# KiCad board UA4EFI.kicad_pcb
title: UAEFI; date: 2025-04-30; rev: E
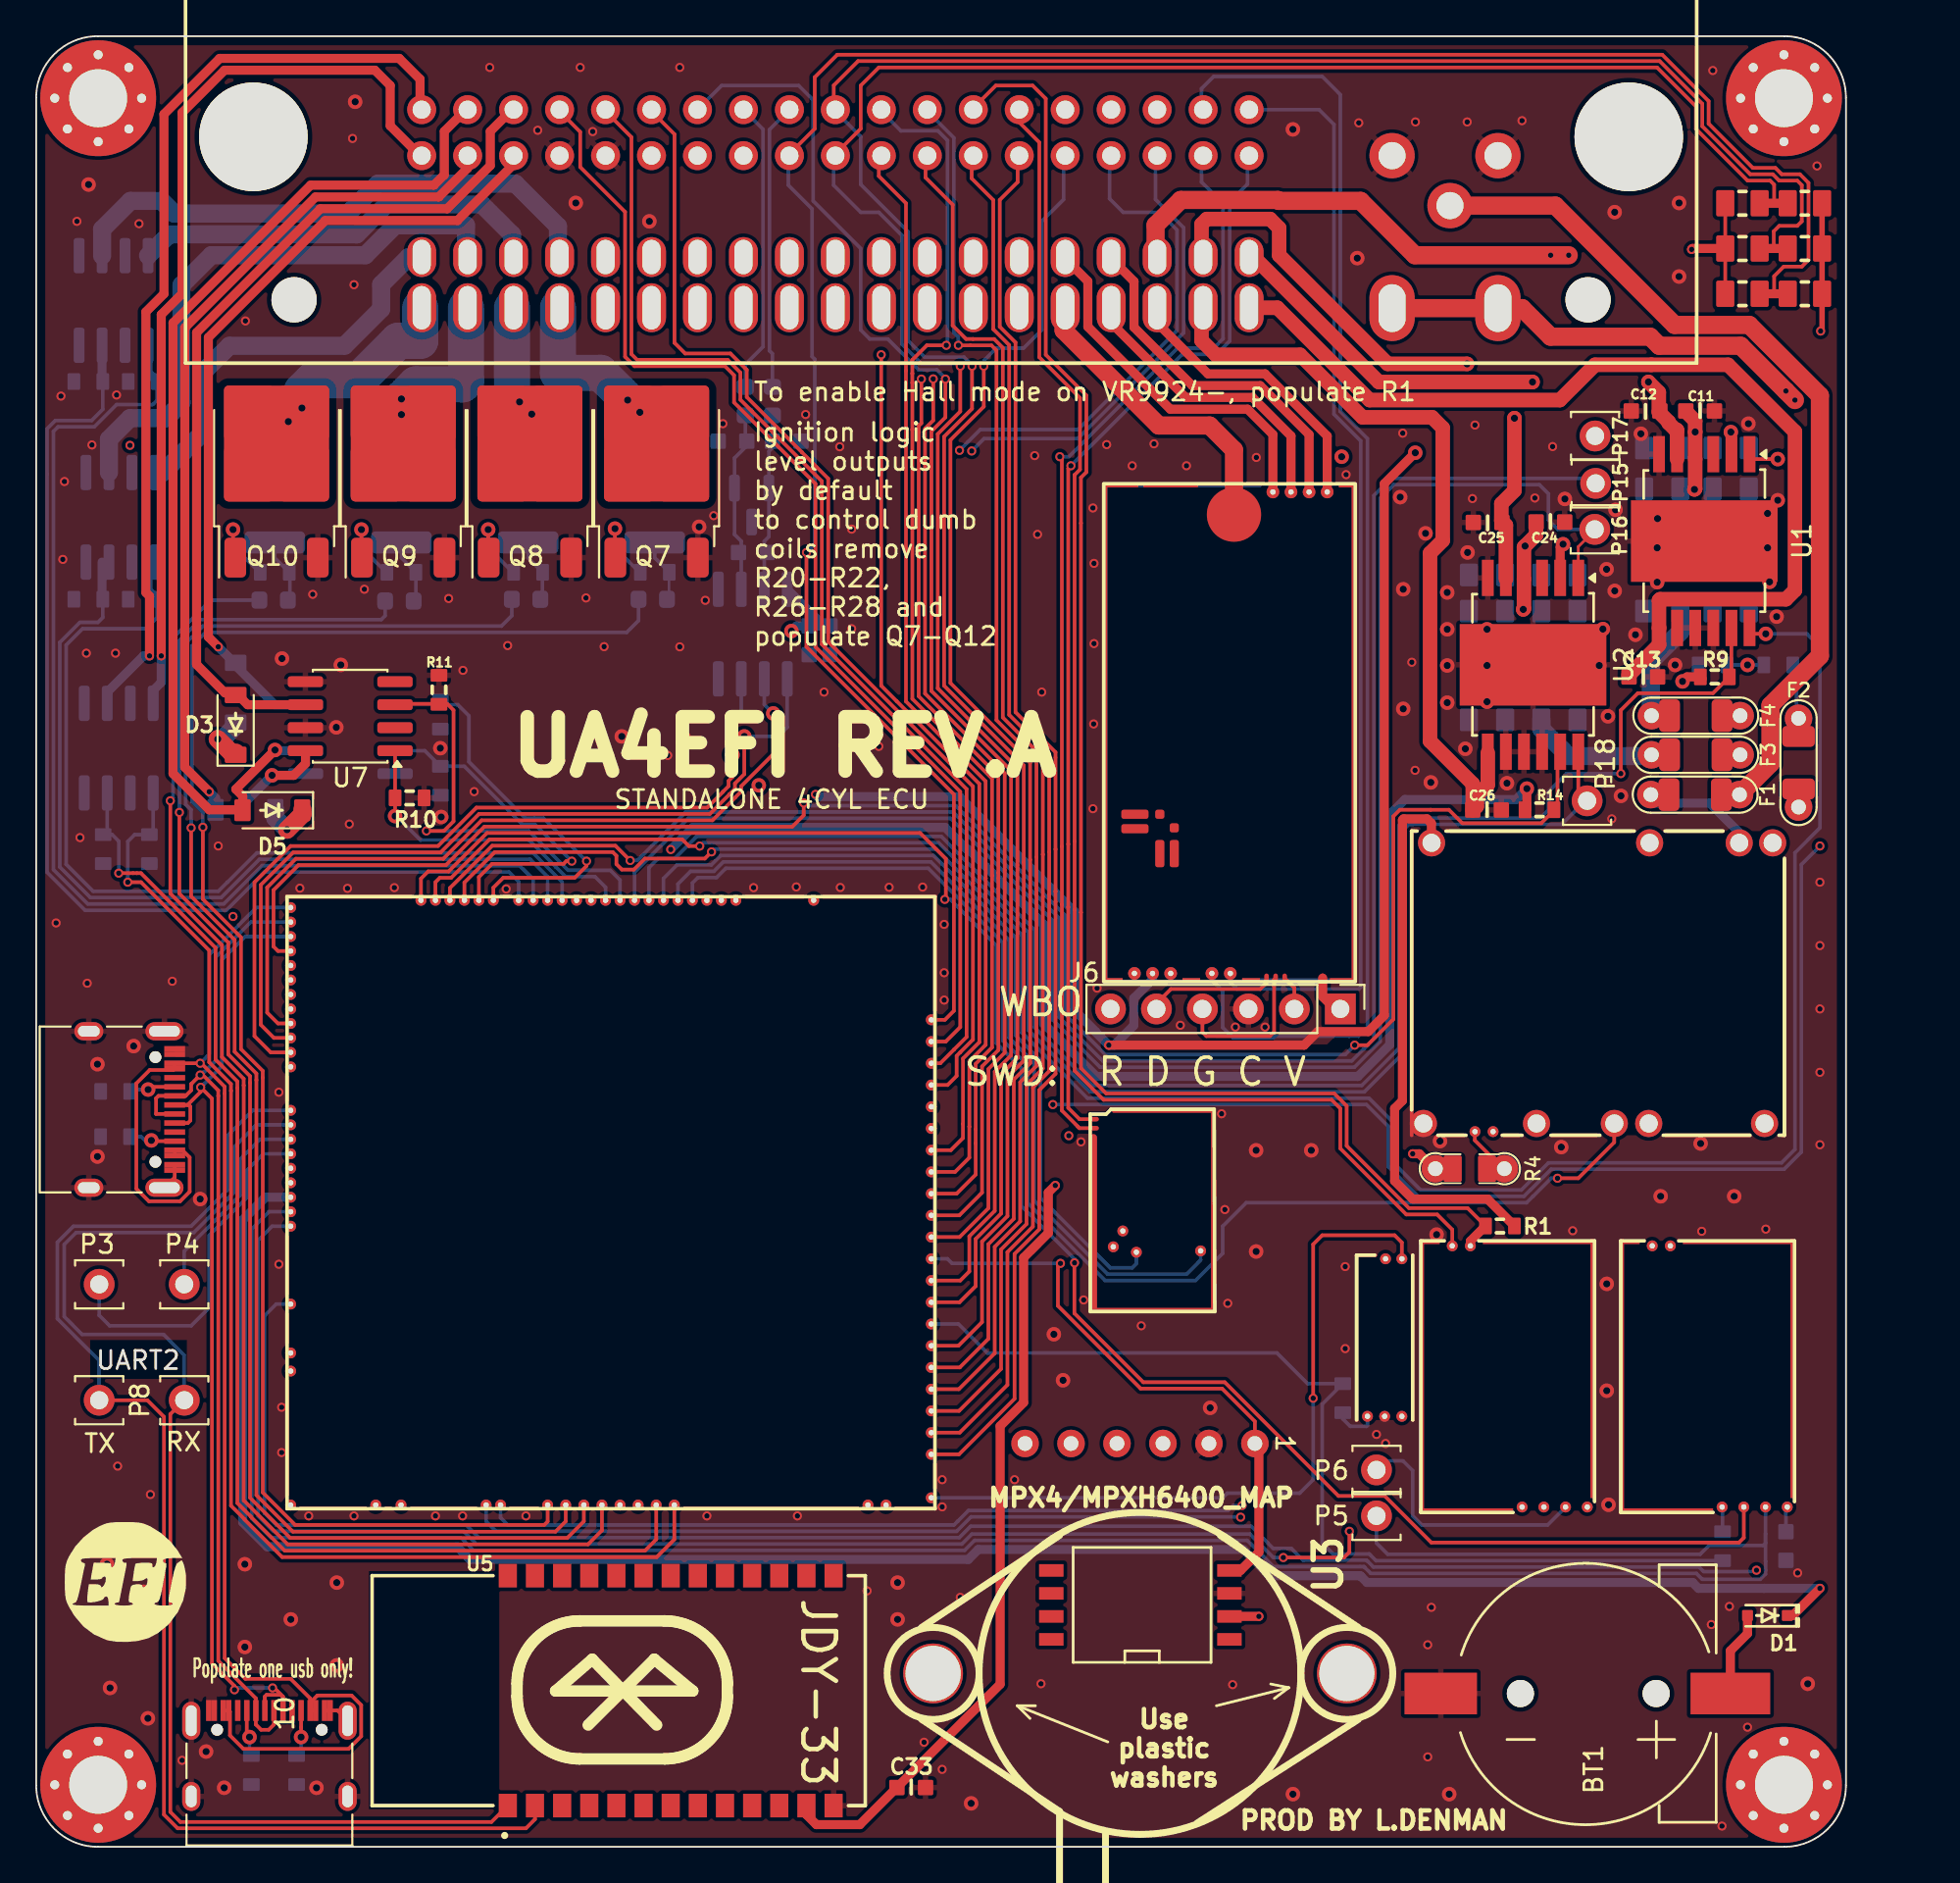
[diagram p0: board, top side]
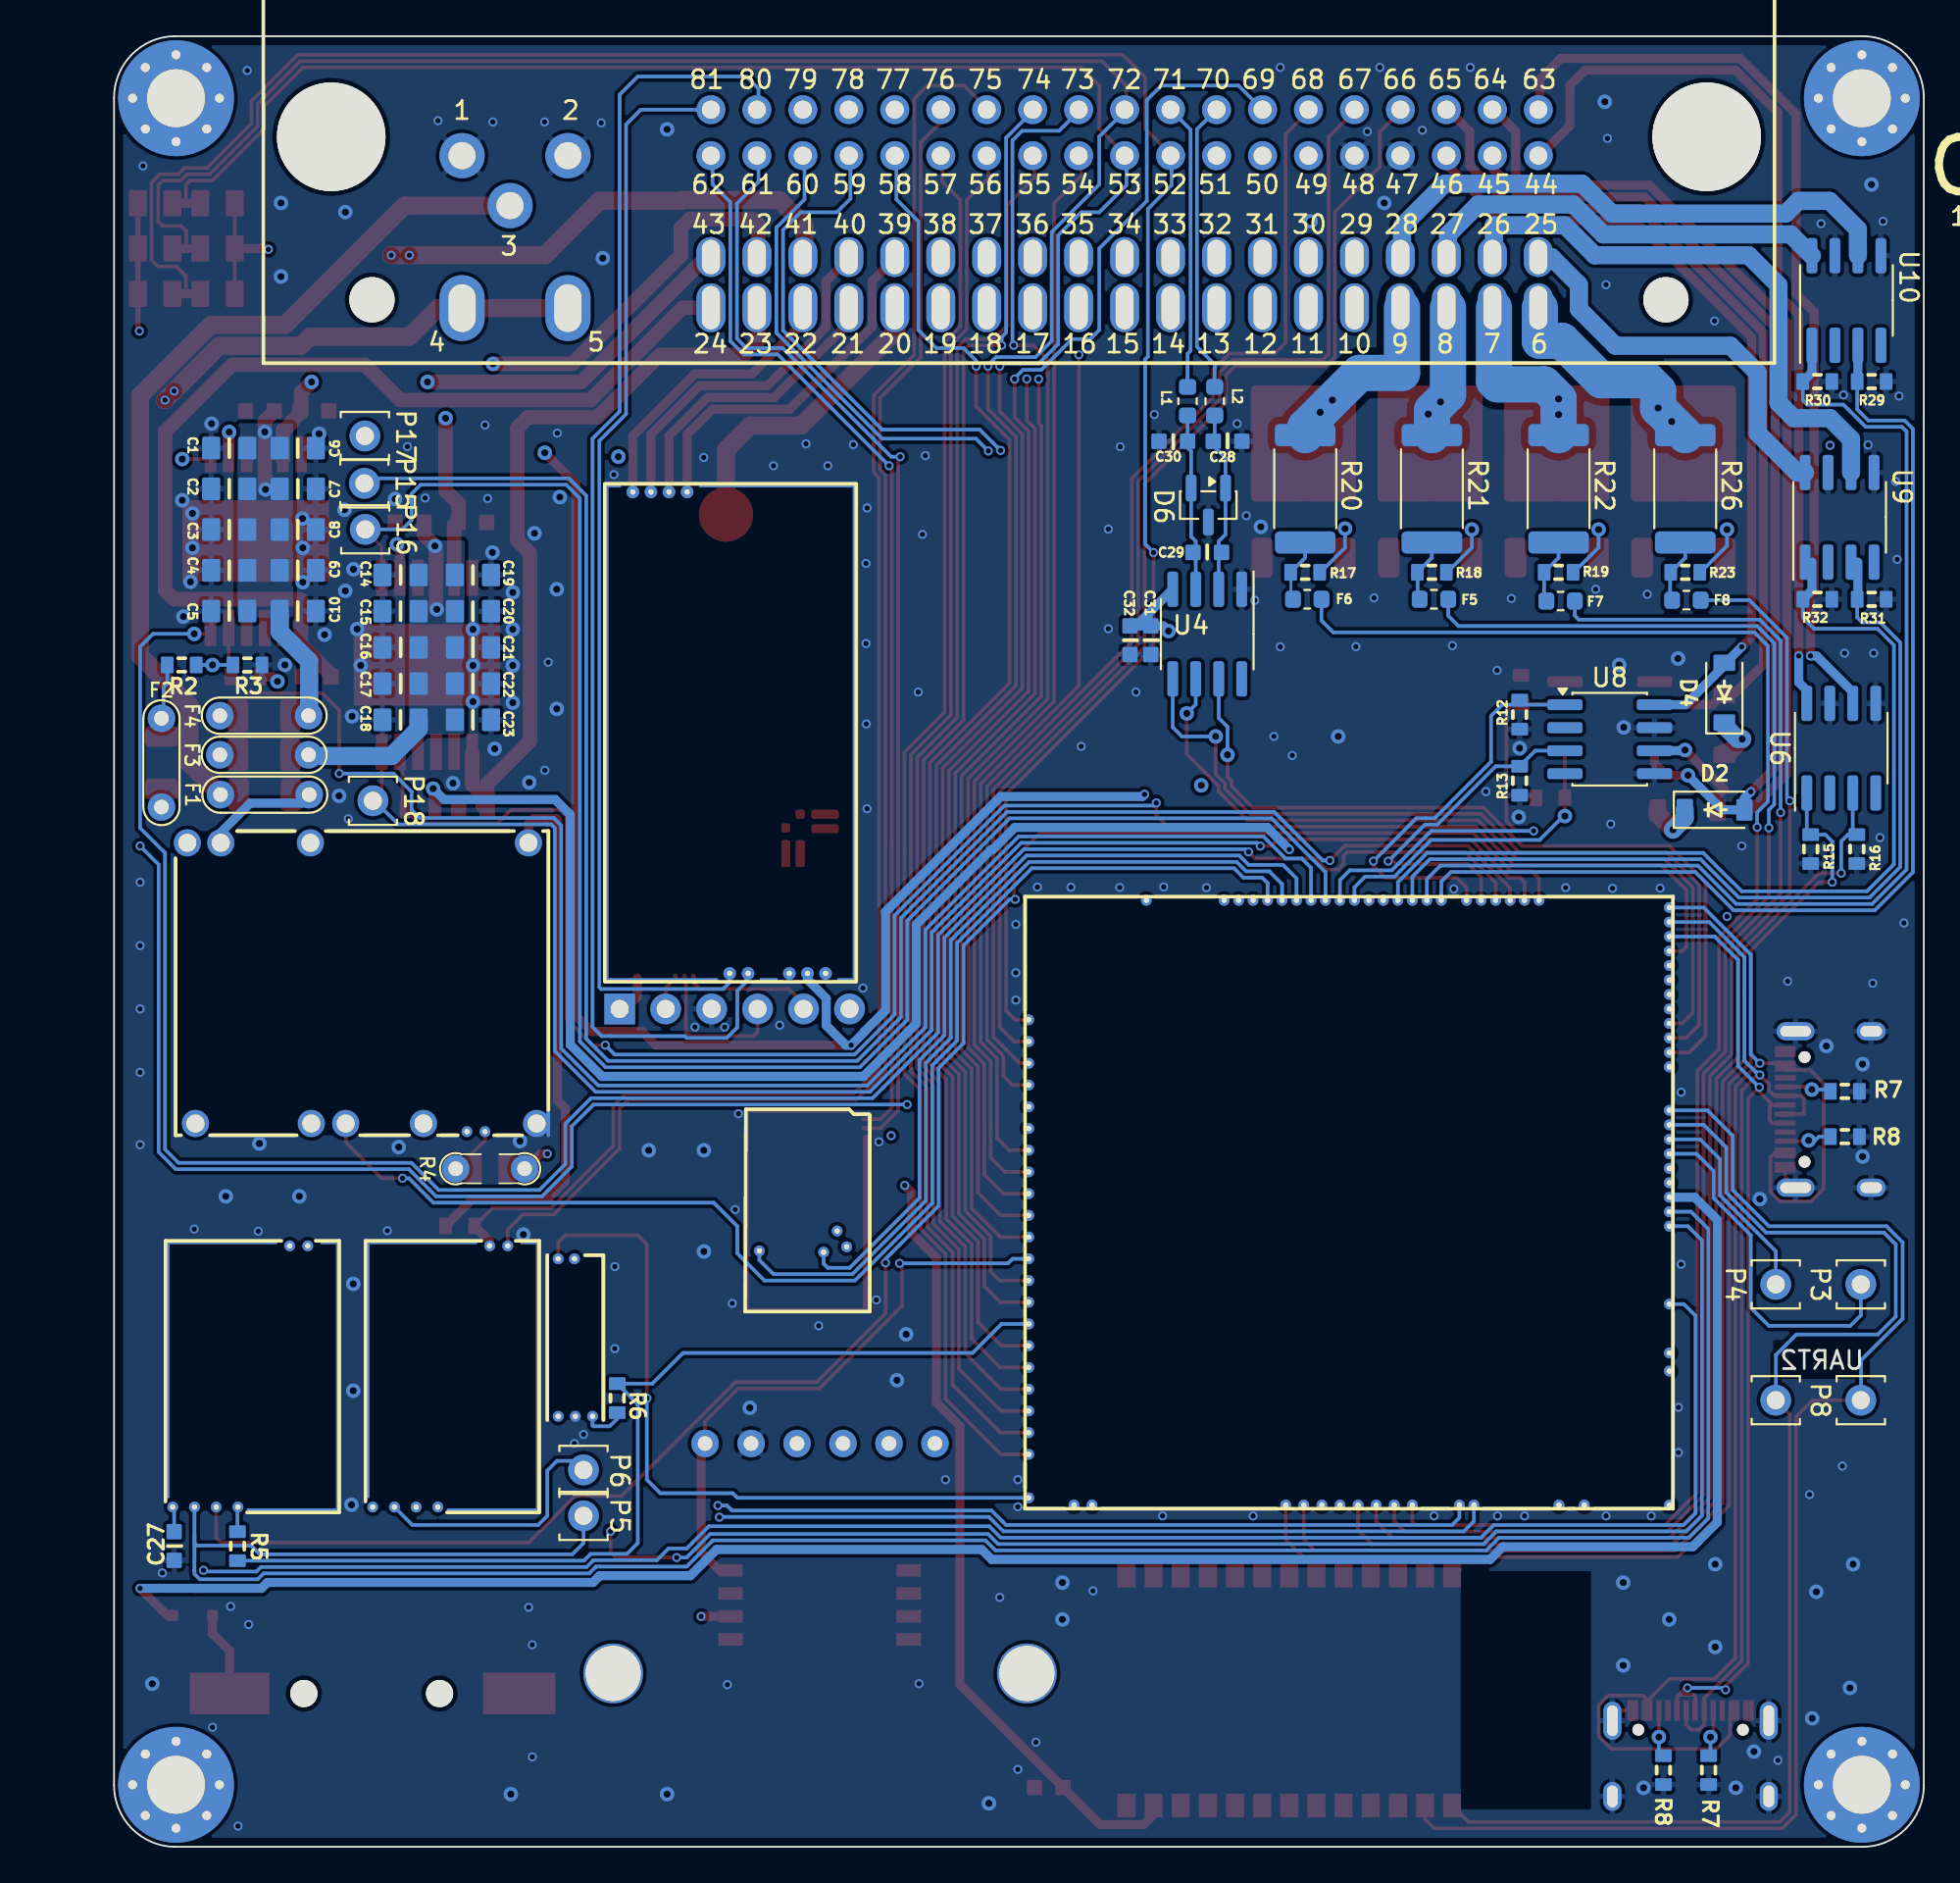
[diagram p1: board, bottom side, seen from below]

Outline 100 x 100 mm; copper layers: Top, In1.Cu, In2.Cu, Bottom. Coordinates in mm from the lower left corner of the outline.
Outline path: 0,96.6 arc(1,99) 3.4,100 96.6,100 arc(99,99) 100,96.6 100,3.4 arc(99,1) 96.6,0 3.4,0 arc(1,1) 0,3.4 0,96.6
Stack: Top 0.035mm / dielectric 0.1mm FR4 er 4.5 / In1.Cu 0.035mm / dielectric 1.24mm FR4 er 4.5 / In2.Cu 0.035mm / dielectric 0.1mm FR4 er 4.5 / Bottom 0.035mm

## Placement (name value [footprint] x y rotation side)
BT1  CR1220  [CR1220-2]  85.61 8.46 180 top
C1  10u  [C0805]  93.63 77.25 180 bottom
C2  10u  [C0805]  93.63 75 180 bottom
C3  10u  [C0805]  93.63 72.75 180 bottom
C4  10u  [C0805]  93.63 70.5 180 bottom
C5  10u  [C0805]  93.63 68.25 180 bottom
C6  10u  [C0805]  89.85 77.25 0 bottom
C7  10u  [C0805]  89.85 75 0 bottom
C8  10u  [C0805]  89.85 72.75 0 bottom
C9  10u  [C0805]  89.85 70.5 0 bottom
C10  10u  [C0805]  89.85 68.25 0 bottom
C11  100n  [C0603]  91.94 79.3 180 top
C12  10n  [C0603]  88.93 79.3 0 top
C13  10n  [C0603]  88.8 64.61 180 top
C14  10u  [C0805]  84.17 70.24 180 bottom
C15  10u  [C0805]  84.17 68.24 180 bottom
C16  10u  [C0805]  84.17 66.24 180 bottom
C17  10u  [C0805]  84.17 64.24 180 bottom
C18  10u  [C0805]  84.17 62.24 180 bottom
C19  10u  [C0805]  80.17 70.24 0 bottom
C20  10u  [C0805]  80.17 68.24 0 bottom
C21  10u  [C0805]  80.17 66.24 0 bottom
C22  10u  [C0805]  80.17 64.24 0 bottom
C23  10u  [C0805]  80.17 62.24 0 bottom
C24  100n  [C0603]  83.67 73.17 180 top
C25  10n  [C0603]  80.2 73.14 0 top
C26  10n  [C0603]  80.17 57.26 180 top
C27  100n  [C0603]  96.68 16.61 90 bottom
C28  10n  [C0603]  38.47 77.63 0 bottom
C29  100n  [C0603]  39.6 71.49 0 bottom
C30  10n  [C0603]  41.47 77.63 180 bottom
C31  100n  [C0603]  42.71 66.64 90 bottom
C32  1u  [C0603]  43.86 66.64 90 bottom
C33  100n  [C0603]  48.35 3.28 180 top
D1  1N4148WS  [SOD-323]  95.66 12.78 180 top
D2  B5819W  [SOD-123]  11.56 57.28 180 bottom
D3  B5819W  [SOD-123]  11.02 61.96 90 top
D4  B5819W  [SOD-123]  11.02 63.74 90 bottom
D5  B5819W  [SOD-123]  13.05 57.25 180 top
D6  NUP2105L  [SOT-23]  39.53 74.11 270 bottom
F1  12H1500D  [PAD-1206-PAD]  91.67 58.11 180 top
F2  12H1500D  [PAD-1206-PAD]  97.38 59.88 270 top
F3  12H1500D  [PAD-1206-PAD]  91.7 60.31 180 top
F4  12H1500D  [PAD-1206-PAD]  91.7 62.47 180 top
F5  50mA  [Fuse_0603_1608Metric]  27.07 68.9 180 bottom
F6  50mA  [Fuse_0603_1608Metric]  34.07 68.9 180 bottom
F7  50mA  [Fuse_0603_1608Metric]  20.07 68.8 180 bottom
F8  50mA  [Fuse_0603_1608Metric]  13.12 68.85 180 bottom
G1  RUSEFI_LOGO  [rusefi_logo]  4.92 14.59 0 top
H1  M3  [MountingHole_3.2mm_M3_Pad_Via]  96.58 96.58 270 top
H2  M3  [MountingHole_3.2mm_M3_Pad_Via]  3.42 96.58 0 top
H3  M3  [MountingHole_3.2mm_M3_Pad_Via]  3.42 3.43 270 top
H4  M3  [MountingHole_3.2mm_M3_Pad_Via]  96.58 3.43 270 top
J6  Conn_01x06  [PinHeader_1x06_P2.54mm_Vertical]  72.06 46.28 270 top
J7  -  [dj7811-1]  80.77 93.4 0 top
J9  -  [USB_C]  12.89 3.86 0 top
J9#2  -  [USB_C]  3.98 40.72 270 top
L1  470R@100MHz  [L_0603_1608Metric]  40.68 79.84 270 bottom
L2  470R@100MHz  [L_0603_1608Metric]  39.18 79.84 270 bottom
M2  Module-knock-0.2  [knock]  72.86 32.78 270 top
M3  Module-vr-discrete-0.5  [vr-discrete]  87.46 33.57 270 top
M4  Module-vr-max9924-0.1  [vr-max9924]  76.41 33.57 270 top
M5  Module-wbo-0.5  [wbo]  72.99 47.68 90 top
M7  Module-can-0.1  [can]  58.14 40.84 270 top
M8  Module:mega-mcu100-f7/0.2  [mega-mcu100-f7]  49.76 18.57 90 top
Mr1  Module-power_12and5V-0.3  [power_12and5V]  75.9 56.2 270 top
P3  Pad  [PAD-TH]  3.48 31.07 270 top
P4  Pad  [PAD-TH]  8.18 31.07 270 top
P5  Pad  [PAD-TH]  74.06 18.28 270 top
P6  Pad  [PAD-TH]  74.06 20.81 270 top
P7  Pad  [PAD-TH]  8.18 24.66 270 top
P8  Pad  [PAD-TH]  3.48 24.66 270 top
P15  Pad  [PAD-TH]  86.17 75.3 90 top
P16  Pad  [PAD-TH]  86.12 72.76 90 top
P17  Pad  [PAD-TH]  86.14 77.92 90 top
P18  Pad  [PAD-TH]  85.7 57.77 90 top
Q7  ISL9V3040D3ST  [TO-252-2]  34.28 76.24 90 top
Q8  ISL9V3040D3ST  [TO-252-2]  27.28 76.24 90 top
Q9  ISL9V3040D3ST  [TO-252-2]  20.28 76.24 90 top
Q10  ISL9V3040D3ST  [TO-252-2]  13.28 76.24 90 top
R1  4.7k  [R0603]  80.88 34.29 180 top
R2  33k  [R0603]  96.26 65.28 0 bottom
R3  6.8k  [R0603]  92.63 65.28 0 bottom
R4  Jumper-Pad-Pad  [PAD-0805-PAD]  79.22 37.45 180 top
R5  0  [R0603]  93.18 16.6 270 bottom
R6  0  [R0603]  72.2 24.78 90 bottom
R7  5.6k  [R0603]  4.36 41.72 0 bottom
R7#2  5.6k  [R0603]  11.89 4.24 90 bottom
R8  5.6k  [R0603]  4.36 39.22 0 bottom
R8#2  5.6k  [R0603]  14.39 4.24 90 bottom
R9  4.7k  [R0603]  92.75 64.62 180 top
R10  4.7k  [R0603]  20.63 57.93 180 top
R11  4.7k  [R0603]  22.26 63.9 270 top
R12  4.7k  [R0603]  22.33 62.53 90 bottom
R13  4.7k  [R0603]  22.33 58.88 90 bottom
R14  4.7k  [R0603]  83.07 57.28 180 top
R15  4.7k  [R0603]  6.25 55.1 270 bottom
R16  4.7k  [R0603]  3.7 55.1 270 bottom
R17  22  [R0603]  34.18 70.39 0 bottom
R18  22  [R0603]  27.18 70.39 0 bottom
R19  22  [R0603]  20.18 70.39 0 bottom
R20  0  [R_2512_6332Metric]  34.18 75 90 bottom
R21  0  [R_2512_6332Metric]  27.18 75 90 bottom
R22  0  [R_2512_6332Metric]  20.18 75 90 bottom
R23  22  [R0603]  13.18 70.39 0 bottom
R26  0  [R_2512_6332Metric]  13.18 75 90 bottom
R29  4.7k  [R0603]  2.88 80.93 0 bottom
R30  4.7k  [R0603]  5.88 80.93 0 bottom
R31  4.7k  [R0603]  2.88 68.9 0 bottom
R32  4.7k  [R0603]  5.88 68.9 0 bottom
R35  10k  [R0805]  94.28 90.78 0 top
R36  10k  [R0805]  94.28 88.28 0 top
R37  10k  [R0805]  94.28 85.78 0 top
R38  DNP  [R0805]  97.73 90.78 0 top
R39  DNP  [R0805]  97.73 88.28 0 top
R40  DNP  [R0805]  97.73 85.78 0 top
U1  TLE9201SG  [Infineon_PG-DSO-12-11]  92.17 72.12 270 top
U2  TLE9201SG  [Infineon_PG-DSO-12-11]  82.71 65.28 270 top
U3  MPX4/MPXH6400_MAP  [MPX-4_MAP]  60.99 5.77 180 top
U4  MAX31855KASA  [SOIC-8_3.9x4.9mm_P1.27mm]  39.6 66.98 270 bottom
U5  -  [JDY-33]  32.39 8.62 90 top
U6  VNLD5160TR-E  [SOIC-8_3.9x4.9mm_P1.27mm]  4.56 60.68 90 bottom
U7  VNLD5160TR-E  [SOIC-8_3.9x4.9mm_P1.27mm]  17.35 62.44 180 top
U8  VNLD5160TR-E  [SOIC-8_3.9x4.9mm_P1.27mm]  17.36 61.17 180 bottom
U9  VNLD5160TR-E  [SOIC-8_3.9x4.9mm_P1.27mm]  4.66 73.43 90 bottom
U10  VNLD5160TR-E  [SOIC-8_3.9x4.9mm_P1.27mm]  4.28 85.4 90 bottom

## Library data of the parts
BT1 = -: LCSC: C70381
C1-C10 C14-C23 = -: LCSC: C15850
C11 C24 C27 C29 C31 C33 = -: LCSC: C14663
C12 C13 C25 C26 C28 C30 = -: LCSC: C57112
C32 = -: LCSC: C15849
D1 = -: LCSC: C2128
D2-D5 = -: LCSC: C8598
D6 = -: Datasheet: https://www.onsemi.com/pub_link/Collateral/NUP2105L-D.PDF; Description: Dual Line CAN Bus Protector, 24Vrwm; ki_fp_filters: SOT?23*
F1-F4 = -: LCSC: C182446
F5-F8 = -: LCSC: C369141; ki_fp_filters: *polyfuse* *PTC*
H1-H4 = -: ki_fp_filters: MountingHole*
J6 = -: LCSC: C37208; ki_fp_filters: Connector*:*_1x??_*
J7 = -: LCSC: C9900074225
J9 = -: Datasheet: https://www.usb.org/sites/default/files/documents/usb_type-c.zip; LCSC: C2927038
J9#2 = -: Datasheet: https://www.usb.org/sites/default/files/documents/usb_type-c.zip; LCSC: C2927038; ki_fp_filters: USB*C*Receptacle*
L1 L2 = -: LCSC: C97853; ki_fp_filters: Choke_* *Coil* Inductor_* L_*
M8 = -: Description: Hellen One MEGA-MCU100-F7 Module; PUBLISHER: qwerty-off; SUPPLIER PART NUMBER 1: *; SUPPLIER PART NUMBER 2: *; SUPPLIER 1: Mouser; SUPPLIER 2: Digi-Key; FITTED: False; SUPPLIER 3: LCSC; TYPE: Module; ki_fp_filters: MOD_Hellen_MEGA_MCU100_F7_0.1
Mr1 = -: Datasheet: kicad-embed://power_12and5V-schematic.pdf; Description: Hellen-One Power_12and5V Module
P3-P8 P15-P18 = -: ki_fp_filters: Connector*:*_1x??_*
Q7-Q10 R1 R5 = -: MyComment: DNP
R2 = -: LCSC: C4216
R3 = -: LCSC: C23212
R4 = -: LCSC: C17477
R6 = -: LCSC: C21189
R7 R7#2 R8 R8#2 = -: LCSC: C23189
R9-R16 R29-R32 = -: LCSC: C23162
R17-R19 R23 = -: LCSC: C23345
R20-R22 R26 = -: LCSC: C25469
R35-R37 = -: LCSC: C17414
U1 U2 = -: LCSC: C112633
U4 = -: Datasheet: http://datasheets.maximintegrated.com/en/ds/MAX31855.pdf; Description: Cold Junction K-type Thermocouple Interface, SPI, SOIC-8; LCSC: C52028; ki_fp_filters: SOIC*3.9x4.9mm*P1.27mm*
U5 = -: Datasheet: https://datasheet.lcsc.com/lcsc/2106070033_QIACHIP-WL9981TC_C2689544.pdf; LCSC: C9900001612; MF: HuiCheng; PARTREV: v1.0; STANDARD: Manufacturer Recommendations
U6-U10 = -: LCSC: C377942

## Footprints (pads in the part's own frame, mm; a bottom-side part is the same pattern mirrored in y, then rotated)
C0603
  rrect 0.85x0.85 smd: 1(-0.79,0) 2(0.79,0)
C0805
  rrect 1x1.25 smd: 1(-1,0) 2(1,0)
can
  oval 0.2x5.67 smd: E1(0.2,4.138)
  oval 11.1x0.2 smd: E1(5.675,6.875)
  oval 9.8x0.4 smd: E1(6.375,0.275)
  oval 0.5x0.25 smd: E1(11,0.275)
  oval 0.2x6.8 smd: E1(11.175,3.538)
  oval 0.25x0.5 smd: S1(0.65,0.325) S2(1.15,0.325)
  round 0.6 hole 0.3: V1(7.7,1.375) V2(6.825,1.9) V5(8,2.65) V6(7.925,6.2)
CR1220-2
  round 1.5 hole 1.5 unplated: (-3.9,0) (3.6,0)
  rect 4.4x2.3 smd: 1(-8,0)
  rect 4x2.3 smd: 2(8,0)
dj7811-1
  round 6 hole 6 unplated: (-68.77,1.04) (7.23,1.04)
  round 2.5 hole 2.5 unplated: (-66.52,-7.96) (4.98,-7.96)
  round 2.5 hole 1.5: 1(0,0) 2(-5.85,0) 3(-2.65,-2.76)
  oval 2.5x3.64 hole 1.5x2.64: 4(0,-8.42) 5(-5.85,-8.42)
  oval 1.6x2.7 hole 1x2.4: 6(-59.47,-8.4) 7(-56.93,-8.4) 8(-54.39,-8.4) 9(-51.85,-8.4) 10(-49.31,-8.4) 11(-46.77,-8.4) 12(-44.23,-8.4) 13(-41.69,-8.4) 14(-39.15,-8.4) 15(-36.61,-8.4) 16(-34.07,-8.4) 17(-31.53,-8.4) 18(-28.99,-8.4) 19(-26.45,-8.4) 20(-23.91,-8.4) 21(-21.37,-8.4) 22(-18.83,-8.4) 23(-16.29,-8.4) 24(-13.75,-8.4)
  oval 1.6x2.2 hole 1x1.9: 25(-59.47,-5.6) 26(-56.93,-5.6) 27(-54.39,-5.6) 28(-51.85,-5.6) 29(-49.31,-5.6) 30(-46.77,-5.6) 31(-44.23,-5.6) 32(-41.69,-5.6) 33(-39.15,-5.6) 34(-36.61,-5.6) 35(-34.07,-5.6) 36(-31.53,-5.6) 37(-28.99,-5.6) 38(-26.45,-5.6) 39(-23.91,-5.6) 40(-21.37,-5.6) 41(-18.83,-5.6) 42(-16.29,-5.6) 43(-13.75,-5.6)
  round 1.6 hole 1: 44(-59.47,0) 45(-56.93,0) 46(-54.39,0) 47(-51.85,0) 48(-49.31,0) 49(-46.77,0) 50(-44.23,0) 51(-41.69,0) 52(-39.15,0) 53(-36.61,0) 54(-34.07,0) 55(-31.53,0) 56(-28.99,0) 57(-26.45,0) 58(-23.91,0) 59(-21.37,0) 60(-18.83,0) 61(-16.29,0) 62(-13.75,0) 63(-59.47,2.54) 64(-56.93,2.54) 65(-54.39,2.54) 66(-51.85,2.54) 67(-49.31,2.54) 68(-46.77,2.54) 69(-44.23,2.54) 70(-41.69,2.54) 71(-39.15,2.54) 72(-36.61,2.54) 73(-34.07,2.54) 74(-31.53,2.54) 75(-28.99,2.54) 76(-26.45,2.54) 77(-23.91,2.54) 78(-21.37,2.54) 79(-18.83,2.54) 80(-16.29,2.54) 81(-13.75,2.54)
Fuse_0603_1608Metric
  rrect 0.875x0.95 smd: 1(-0.787,0) 2(0.787,0)
Infineon_PG-DSO-12-11
  rect 1.95x1.16 smd: (-1.125,2.92) (-1.125,1.46) (-1.125,0) (-1.125,-1.46) (-1.125,-2.92) (1.125,2.92) (1.125,1.46) (1.125,0) (1.125,-1.46) (1.125,-2.92)
  rect 2x0.65 smd: 1(-4.8,2.5) 2(-4.8,1.5) 3(-4.8,0.5) 4(-4.8,-0.5) 5(-4.8,-1.5) 6(-4.8,-2.5) 7(4.8,-2.5) 8(4.8,-1.5) 9(4.8,-0.5) 10(4.8,0.5) 11(4.8,1.5) 12(4.8,2.5)
  rect 4.5x8.1 smd: 13(0,0)
JDY-33
  rect 1.3x1 smd: 1(-6.35,6.325) 2(-6.35,4.825) 3(-6.35,3.325) 4(-6.35,1.825) 5(-6.35,0.325) 6(-6.35,-1.175) 7(-6.35,-2.675) 8(-6.35,-4.175) 9(-6.35,-5.675) 10(-6.35,-7.175) 11(-6.35,-8.675) 12(-6.35,-10.175) 13(-6.35,-11.675) 14(6.35,-11.675) 15(6.35,-10.175) 16(6.35,-8.675) 17(6.35,-7.175) 18(6.35,-5.675) 19(6.35,-4.175) 20(6.35,-2.675) 21(6.35,-1.175) 22(6.35,0.325) 23(6.35,1.825) 24(6.35,3.325) 25(6.35,4.825) 26(6.35,6.325)
knock
  round 0.6 hole 0.3: E1(9,2.6) E2(9,1.65) E3(9,0.7) W1(0.3,1.7) W2(0.3,2.6)
  oval 0.2x1.225 smd: E2(0.1,0.625) E2(0.1,0.625) E2(0.1,0.625)
  oval 0.2x1.225 smd far side: E2(0.1,0.625)
  oval 9.3x0.2 smd: E2(4.65,3.2) E2(4.65,3.2) E2(4.65,3.2) E2(4.65,0.1) E2(4.65,0.1) E2(4.65,0.1)
  oval 9.3x0.2 smd far side: E2(4.65,3.2) E2(4.65,0.1)
L_0603_1608Metric
  rrect 0.875x0.95 smd: 1(-0.787,0) 2(0.787,0)
mega-mcu100-f7
  round 0.6 hole 0.3: E1(33.7,6.8) E2(33.7,11.1) E3(33.7,11.9) E4(33.7,12.7) E5(33.7,13.5) E6(33.7,14.3) E7(33.7,15.1) E8(33.7,15.9) E9(33.7,16.7) E10(33.7,17.5) E11(33.7,18.3) E12(33.7,19.1) E13(33.7,19.9) E14(33.7,20.7) E15(33.7,21.5) E16(33.7,22.3) E17(33.7,23.1) E18(33.7,24.5) E19(33.7,25.3) E20(33.7,26.1) E21(33.7,26.9) E22(33.7,27.7) E23(33.7,28.5) N1(33.3,35.7) N2(32.5,35.7) N3(31.7,35.7) N4(30.9,35.7) N5(30.1,35.7) N6(29.3,35.7) N7(28.5,35.7) N8(27.7,35.7) N9(26.9,35.7) N10(26.1,35.7) N11(25.3,35.7) N12(24.5,35.7) N13(22.1,35.7) N14(21.3,35.7) N14a(20.5,35.7) N14b(19.7,35.7) N15(18.9,35.7) N16(18.1,35.7) N17(17.3,35.7) N18(16.5,35.7) N19(15.7,35.7) N20(11.4,35.7) N21(8.7,35.7) N22(7.7,35.7) N23(0.3,35.7) S1(27.1,0.3) S2(25.9,0.3) S3(24.7,0.3) S4(23.5,0.3) S5(22.3,0.3) S6(21.1,0.3) S7(19.9,0.3) S8(18.7,0.3) S9(17.5,0.3) S10(16.3,0.3) S11(15.1,0.3) S12(13.9,0.3) S13(12.7,0.3) S14(11.5,0.3) S15(10.3,0.3) S16(9.1,0.3) S17(7.9,0.3) S18(6.7,0.3) S19(5.5,0.3) S20(4.3,0.3) S21(3.1,0.3) S22(0.7,0.3) W1(0.3,2.8) W2(0.3,3.8) W3(0.3,14.5) W4(0.3,15.5) W5(0.3,16.5) W6(0.3,17.5) W7(0.3,18.5) W8(0.3,19.5) W9(0.3,20.5) W10(0.3,21.5) W11(0.3,24.1) W12(0.3,24.9) W13(0.3,29.6) W14(0.3,31)
  rect 0.2x3.7 smd: G(0.1,33.35) G(0.1,33.35) G(0.1,33.35) G(0.1,27.25) G(0.1,27.25) G(0.1,27.25)
  rect 0.2x3.7 smd far side: G(0.1,33.35) G(0.1,27.25)
  rect 0.2x0.4 smd: G(0.1,30.3) G(0.1,30.3) G(0.1,30.3) G(33.9,23.8) G(33.9,23.8) G(33.9,23.8)
  rect 0.2x0.4 smd far side: G(0.1,30.3) G(33.9,23.8)
  rect 0.2x1.6 smd: G(0.1,22.8) G(0.1,22.8) G(0.1,22.8)
  rect 0.2x1.6 smd far side: G(0.1,22.8)
  rect 0.2x9.7 smd: G(0.1,9.15) G(0.1,9.15) G(0.1,9.15)
  rect 0.2x9.7 smd far side: G(0.1,9.15)
  rect 0.2x2.3 smd: G(0.1,1.15) G(0.1,1.15) G(0.1,1.15)
  rect 0.2x2.3 smd far side: G(0.1,1.15)
  rect 1.4x0.2 smd: G(1.9,0.1) G(1.9,0.1) G(1.9,0.1) G(23.3,35.9) G(23.3,35.9) G(23.3,35.9)
  rect 1.4x0.2 smd far side: G(1.9,0.1) G(23.3,35.9)
  rect 6.4x0.2 smd: G(4,35.9) G(4,35.9) G(4,35.9) G(30.8,0.1) G(30.8,0.1) G(30.8,0.1)
  rect 6.4x0.2 smd far side: G(4,35.9) G(30.8,0.1)
  rect 1.7x0.2 smd: G(10.05,35.9) G(10.05,35.9) G(10.05,35.9)
  rect 1.7x0.2 smd far side: G(10.05,35.9)
  rect 3.3x0.2 smd: G(13.55,35.9) G(13.55,35.9) G(13.55,35.9)
  rect 3.3x0.2 smd far side: G(13.55,35.9)
  rect 0.2x7 smd: G(33.9,32.5) G(33.9,32.5) G(33.9,32.5)
  rect 0.2x7 smd far side: G(33.9,32.5)
  rect 0.2x3.3 smd: G(33.9,8.95) G(33.9,8.95) G(33.9,8.95)
  rect 0.2x3.3 smd far side: G(33.9,8.95)
  rect 0.2x6.3 smd: G(33.9,3.15) G(33.9,3.15) G(33.9,3.15)
  rect 0.2x6.3 smd far side: G(33.9,3.15)
MountingHole_3.2mm_M3_Pad_Via
  round 0.8 hole 0.5: 1(-2.4,0) 1(-1.697,1.697) 1(-1.697,-1.697) 1(0,2.4) 1(0,-2.4) 1(1.697,1.697) 1(1.697,-1.697) 1(2.4,0)
  round 6.4 hole 3.2: 1(0,0)
MPX-4_MAP
  round 3.302 hole 3.048: (-11.43,-3.81) (11.43,-3.81)
  rect 1.35x0.69 smd: 0(-4.942,-5.69) 0(4.9,-5.69) 0(4.9,-6.96) 0(4.9,-8.23) 0(4.9,-9.5) 1(-4.942,-9.5) 2(-4.942,-8.23) 3(-4.942,-6.96)
  round 1.524 hole 0.813: 1(-6.35,-16.51) 2(-3.81,-16.51) 3(-1.27,-16.51) 4(1.27,-16.51) 5(3.81,-16.51) 6(6.35,-16.51)
PAD-0805-PAD
  round 1.524 hole 0.813: 1(-1.905,0) 2(1.905,0)
  rrect 1x1.45 smd: 1(-0.95,0) 2(0.95,0)
PAD-1206-PAD
  round 1.524 hole 0.813: 1(-2.45,0) 2(2.45,0)
  rrect 1.15x1.8 smd: 1(-1.45,0) 2(1.45,0)
PAD-TH
  round 1.7 hole 1: 1(0,0)
PinHeader_1x06_P2.54mm_Vertical
  rect 1.7x1.7 hole 1: 1(0,0)
  oval 1.7x1.7 hole 1: 2(0,-2.54) 3(0,-5.08) 4(0,-7.62) 5(0,-10.16) 6(0,-12.7)
power_12and5V
  round 1.5 hole 1: E1(16.25,19.6) E2(16.25,13.2) E3(16.25,11.3) E4(16.25,7) S1(16.25,0.75) V1(0.75,20.05) V2(0.75,18.2) V3(0.75,13.25) V4(0.75,1.2)
  round 0.6 hole 0.3: E5(16.7,4.6) E6(16.7,3.6)
  oval 0.2x3.3 smd: S1(0.1,15.75) S1(0.1,15.75) S1(0.1,15.75)
  oval 0.2x3.3 smd far side: S1(0.1,15.75)
  oval 0.2x10.2 smd: S1(0.1,7.25) S1(0.1,7.25) S1(0.1,7.25)
  oval 0.2x10.2 smd far side: S1(0.1,7.25)
  oval 0.2x0.3 smd: S1(0.1,0.15) S1(0.1,0.15) S1(0.1,0.15) S1(16.9,20.65) S1(16.9,20.65) S1(16.9,20.65)
  oval 0.2x0.3 smd far side: S1(0.1,0.15) S1(16.9,20.65)
  oval 17x0.2 smd: S1(8.5,0.1) S1(8.5,0.1) S1(8.5,0.1)
  oval 17x0.2 smd far side: S1(8.5,0.1)
  oval 15.4x0.2 smd: S1(9.3,20.7) S1(9.3,20.7) S1(9.3,20.7)
  oval 15.4x0.2 smd far side: S1(9.3,20.7)
  oval 0.2x4.8 smd: S1(16.9,16.45) S1(16.9,16.45) S1(16.9,16.45)
  oval 0.2x4.8 smd far side: S1(16.9,16.45)
  oval 0.2x2.6 smd: S1(16.9,9.1) S1(16.9,9.1) S1(16.9,9.1)
  oval 0.2x2.6 smd far side: S1(16.9,9.1)
  oval 0.2x1 smd: S1(16.9,5.6) S1(16.9,5.6) S1(16.9,5.6)
  oval 0.2x1 smd far side: S1(16.9,5.6)
  oval 0.2x1.5 smd: S1(16.9,2.3) S1(16.9,2.3) S1(16.9,2.3)
  oval 0.2x1.5 smd far side: S1(16.9,2.3)
R0603
  rrect 0.7x0.92 smd: 1(-0.8,0) 2(0.8,0)
R0805
  rrect 1x1.45 smd: 1(-0.95,0) 2(0.95,0)
R_2512_6332Metric
  rrect 1.225x3.35 smd: 1(-2.962,0) 2(2.962,0)
SOD-123
  rrect 0.9x1.2 smd: 1(-1.65,0) 2(1.65,0)
SOD-323
  rrect 0.6x0.6 smd: 1(-1.1,0) 2(1.1,0)
SOIC-8_3.9x4.9mm_P1.27mm
  rrect 1.95x0.6 smd: 1(-2.475,1.905) 2(-2.475,0.635) 3(-2.475,-0.635) 4(-2.475,-1.905) 5(2.475,-1.905) 6(2.475,-0.635) 7(2.475,0.635) 8(2.475,1.905)
SOT-23
  rrect 1.475x0.6 smd: 1(-0.938,0.95) 2(-0.938,-0.95) 3(0.938,0)
TO-252-2
  rrect 2.2x1.2 smd: 1(-5.04,2.28) 3(-5.04,-2.28)
  rrect 3.05x2.75 smd: 2(-0.415,1.525) 2(-0.415,-1.525) 2(2.935,1.525) 2(2.935,-1.525)
  rrect 6.4x5.8 smd: 2(1.26,0)
USB_C
  round 0.65 hole 0.65 unplated: (-2.89,2.605) (2.89,2.605)
  rect 0.3x1.15 smd: A1(-3.35,3.67) A4(-2.55,3.67) A5(-1.25,3.67) A6(-0.25,3.67) A7(0.25,3.67) A8(1.25,3.67) A9(2.55,3.67) A12(3.35,3.67) B1(3.05,3.67) B4(2.25,3.67) B5(1.75,3.67) B6(0.75,3.67) B7(-0.75,3.67) B8(-1.75,3.67) B9(-2.25,3.67) B12(-3.05,3.67)
  oval 1x2.1 hole 0.6x1.7: S1(-4.32,3.105) S1(4.32,3.105)
  oval 1x1.6 hole 0.6x1.2: S1(-4.32,-1.075) S1(4.32,-1.075)
vr-discrete
  round 0.6 hole 0.3: E1(14.8,6.9) E2(14.8,5.7) E3(14.8,8.1) E4(14.8,9.3) W1(0.375,2.84) W2(0.375,1.84)
  rect 0.25x6.185 smd: G(0.15,6.633) G(0.15,6.633) G(0.15,6.633)
  rect 0.25x6.185 smd far side: G(0.15,6.633)
  rect 0.25x1.115 smd: G(0.15,0.583) G(0.15,0.583) G(0.15,0.583)
  rect 0.25x1.115 smd far side: G(0.15,0.583)
  rect 14.275x0.25 smd: G(7.162,9.6) G(7.162,9.6) G(7.162,9.6)
  rect 14.275x0.25 smd far side: G(7.162,9.6)
  rect 15.1x0.25 smd: G(7.575,0.15) G(7.575,0.15) G(7.575,0.15)
  rect 15.1x0.25 smd far side: G(7.575,0.15)
  rect 0.25x5.175 smd: G(15,2.612) G(15,2.612) G(15,2.612)
  rect 0.25x5.175 smd far side: G(15,2.612)
vr-max9924
  round 0.6 hole 0.3: E1(14.8,6.9) E2(14.8,5.7) E3(14.8,8.1) E4(14.8,9.3) W1(0.375,2.84) W2(0.375,1.84)
  rect 0.25x6.185 smd: G(0.15,6.633) G(0.15,6.633) G(0.15,6.633)
  rect 0.25x6.185 smd far side: G(0.15,6.633)
  rect 0.25x1.115 smd: G(0.15,0.583) G(0.15,0.583) G(0.15,0.583)
  rect 0.25x1.115 smd far side: G(0.15,0.583)
  rect 14.275x0.25 smd: G(7.162,9.6) G(7.162,9.6) G(7.162,9.6)